# Altium PCB Evaluation Board.PcbDoc (part 11 of 22)
Units mm, origin at the board's own origin, x right, y up, seen from the top; angles counter-clockwise.
Board outline 200 x 200 mm, 4 copper layers (Top Layer, GND, Power, Bottom Layer), stack 1.56 mm thick; 639 components, 758 nets, 3043 pads, 1306 vias.
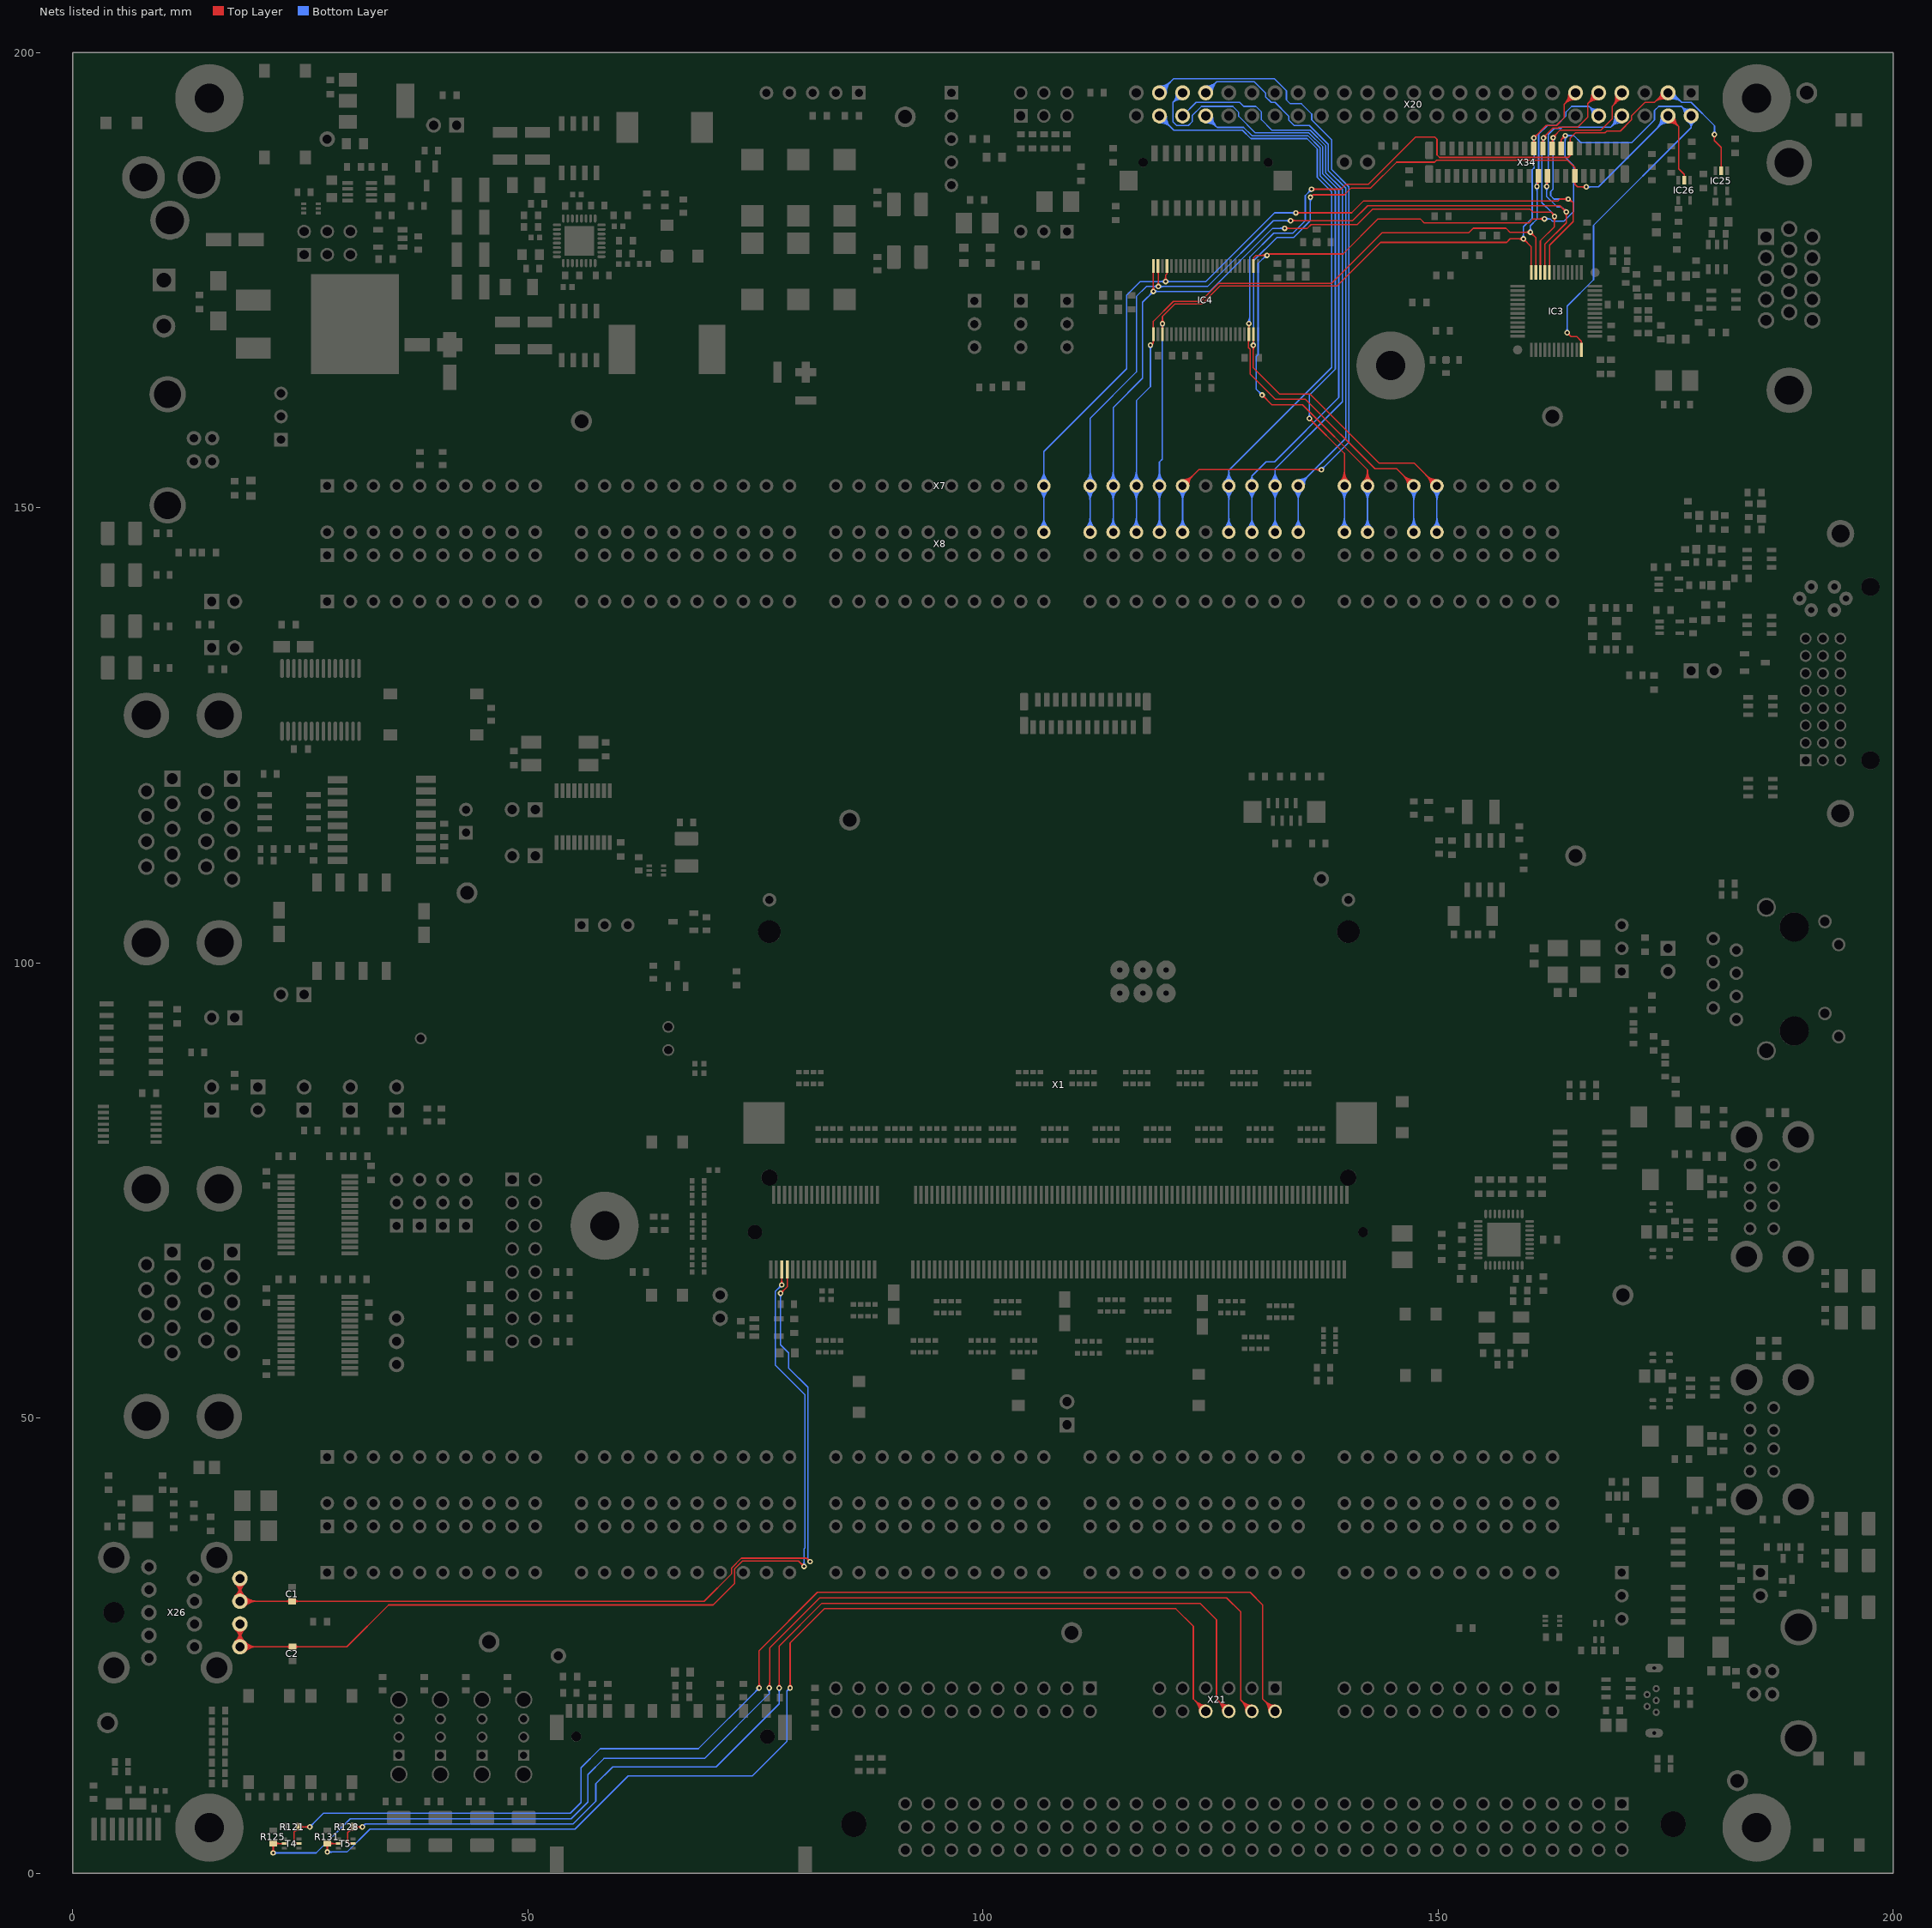
[diagram p13: the nets of this part, all layers, seen from the top]

## Via types
v1: diameter 0.6, hole 0.3, Top Layer to Bottom Layer, 1222 vias
v2: diameter 0.6, hole 0.3, Top Layer to Bottom Layer, tented both sides, 84 vias

## Nets (pads, with @x,y where several pads share a name; then routed paths per layer and width w, separated by ;. In a path a pad name is that pad's centre, name@x,y a point inside that pad or via, vN(x,y) a via of type N, cw(c..) or ccw(c..) an arc to the next point about the centre after c; other vN are vias at no path point) (continued)
LCD_D_13: IC3.44 IC4.45 X7.30 X8.B30 X20.7 X34.26 | length 148.8
  Top Layer w0.15: v2@119.898,175.004 ccw(c119.514,175.388) 120.057,175.388 ccw(c120.601,175.388) v2@120.216,175.004 ; v2(120.057,174.845) 120.057,175.565 120.21,175.717 IC4.45@120.21,176.546 ; IC4.45@120.157,175.893 cw(c120.029,175.765) 120.21,175.765 cw(c120.391,175.765) IC4.45@120.263,175.893 ; v1@134.363,182.397 140.497,182.397 141.81,183.71 163.185,183.71 163.384,183.909 v1(164.287,183.909) 164.441,183.909 164.825,183.525 ; v1@134.522,182.23 cw(c134.927,181.825) 134.927,182.397 ; v1@134.522,182.548 ccw(c134.886,182.912) 134.886,182.397 ; IC3.44@162.178,176.545 ccw(c162.05,176.673) 162.231,176.673 ccw(c162.413,176.673) IC3.44@162.284,176.545 ; IC3.44@162.231,175.842 162.231,178.831 164.825,181.425 164.825,183.525 ; X34.26@162.371,190.082 ccw(c161.89,190.652) v1(162.636,190.652) X34.26@162.636,189.493 ; X34.26@162.468,189.967 ccw(c162.162,190.33) 162.636,190.33 ; v1@162.636,190.729 163.398,191.491 167.894,191.491 169.13,192.727 169.13,194.09 ; v1@162.636,190.877 ccw(c162.636,191.237) 162.89,190.983 ; v1@162.711,190.652 cw(c163.076,190.652) 162.818,190.911 ; v1@162.861,190.652 cw(c163.588,190.652) 163.074,191.167 ; v1@164.128,183.75 ccw(c163.744,183.366) 163.744,183.909 ccw(c163.744,184.453) v1@164.128,184.068 ; v1@164.299,183.835 cw(c164.358,183.473) 164.618,183.732 ; v1@164.323,183.687 cw(c164.416,183.116) 164.825,183.525 ; v1@164.512,183.909 ccw(c164.685,183.909) 164.563,183.787 ; 169.31,194.27 ccw(c168.489,195.09) X20.7@169.604,195.413 ; X20.7@169.46,195.371 cw(c168.21,195.01) 169.13,194.09 ; 169.489,194.449 ccw(c168.767,195.171) X20.7@169.748,195.455 ; 169.651,194.611 cw(c170.18,194.082) X20.7@170.18,194.83 ; 169.669,194.629 ccw(c169.046,195.251) X20.7@169.892,195.497 ; 169.848,194.808 ccw(c169.324,195.332) X20.7@170.036,195.538 ; X20.7@170.18,195.58 170.18,195.14 169.13,194.09
  Bottom Layer w0.15: X8.B30@106.203,147.797 ccw(c105.05,148.95) 106.68,148.95 ccw(c108.31,148.95) X8.B30@107.157,147.797 ; X7.30@106.203,151.923 cw(c105.05,150.77) 106.68,150.77 cw(c108.31,150.77) X7.30@107.157,151.923 ; X7.30@106.203,152.877 ccw(c105.05,154.03) 106.68,154.03 ccw(c108.31,154.03) X7.30@107.157,152.877 ; X8.B30@106.309,147.691 ccw(c105.413,148.587) 106.68,148.587 ccw(c107.947,148.587) X8.B30@107.051,147.691 ; X7.30@106.309,152.029 cw(c105.413,151.133) 106.68,151.133 cw(c107.947,151.133) X7.30@107.051,152.029 ; X7.30@106.309,152.771 ccw(c105.413,153.667) 106.68,153.667 ccw(c107.947,153.667) X7.30@107.051,152.771 ; X8.B30@106.415,147.585 ccw(c105.775,148.225) 106.68,148.225 ccw(c107.585,148.225) X8.B30@106.945,147.585 ; X7.30@106.415,152.135 cw(c105.775,151.495) 106.68,151.495 cw(c107.585,151.495) X7.30@106.945,152.135 ; X7.30@106.415,152.665 ccw(c105.775,153.305) 106.68,153.305 ccw(c107.585,153.305) X7.30@106.945,152.665 ; X8.B30@106.68,147.32 X7.30@106.68,152.4 106.68,156.18 115.773,165.273 115.773,173.355 117.272,174.854 120.049,174.854 v2(120.057,174.845) 124.47,174.845 132.022,182.397 v1@134.363,182.397 ; 119.494,174.854 cw(c119.494,174.281) v2@119.898,174.686 ; 119.535,174.854 ccw(c119.535,175.368) v2@119.898,175.004 ; v2@120.216,174.686 cw(c120.601,174.302) 120.601,174.845 cw(c120.601,175.388) v2@120.216,175.004 ; 133.8,182.397 cw(c133.8,181.825) v1@134.204,182.23 ; 133.841,182.397 ccw(c133.841,182.912) v1@134.204,182.548 ; v1@162.477,190.493 cw(c162.093,190.109) 162.636,190.109 cw(c163.179,190.109) v1@162.795,190.493 ; v1(162.636,190.652) 162.636,185.014 162.357,184.734 162.357,184.277 162.724,183.909 v1(164.287,183.909) ; v1@164.128,183.75 ccw(c163.744,183.366) 163.744,183.909 ccw(c163.744,184.453) v1@164.128,184.068
  other v1: 134.363,182.389
LCD_D_14: IC3.45 IC4.47 X7.31 X8.B31 X20.8 X34.25 | length 143.8
  Top Layer w0.15: v2@119.094,174.462 ccw(c118.71,174.846) 119.253,174.846 ccw(c119.796,174.846) v2@119.412,174.462 ; IC4.47@119.157,175.893 cw(c118.925,175.661) 119.253,175.661 ; v2(119.253,174.303) IC4.47@119.253,176.503 ; v1(133.789,181.534) 133.789,181.54 133.791,181.542 140.617,181.542 142.26,183.185 163.373,183.185 164.075,182.483 164.075,181.3 161.731,178.956 IC3.45@161.731,175.842 ; v1@133.948,181.375 cw(c134.352,180.97) 134.352,181.542 ; v1@133.948,181.693 ccw(c134.311,182.057) 134.311,181.542 ; IC3.45@161.678,176.545 ccw(c161.55,176.673) 161.731,176.673 ccw(c161.913,176.673) IC3.45@161.785,176.545 ; X34.25@161.857,185.851 cw(c161.693,185.687) 161.925,185.687 ; v1@161.925,185.295 cw(c162.667,185.295) X34.25@162.167,185.844 ; v1@161.925,185.301 X34.25@161.925,186.46 ; 161.925,185.634 cw(c162.358,185.634) X34.25@162.066,185.955 ; 163.657,182.901 ccw(c164.084,183.329) v1@164.084,182.724 ; 163.718,182.84 cw(c163.377,182.499) v1@163.859,182.499 ; v1@163.925,182.34 cw(c163.563,181.978) 164.075,181.978 ; 164.075,181.934 cw(c164.649,181.934) v1@164.243,182.34
  Bottom Layer w0.15: X8.B31@111.283,147.797 ccw(c110.13,148.95) 111.76,148.95 ccw(c113.39,148.95) X8.B31@112.237,147.797 ; X7.31@111.283,151.923 cw(c110.13,150.77) 111.76,150.77 cw(c113.39,150.77) X7.31@112.237,151.923 ; X7.31@111.283,152.877 ccw(c110.069,154.091) 111.785,154.091 ; X8.B31@111.389,147.691 ccw(c110.493,148.587) 111.76,148.587 ccw(c113.027,148.587) X8.B31@112.131,147.691 ; X7.31@111.389,152.029 cw(c110.493,151.133) 111.76,151.133 cw(c113.027,151.133) X7.31@112.131,152.029 ; X7.31@111.389,152.771 ccw(c110.431,153.729) 111.785,153.729 ; X8.B31@111.495,147.585 ccw(c110.855,148.225) 111.76,148.225 ccw(c112.665,148.225) X8.B31@112.025,147.585 ; X7.31@111.495,152.135 cw(c110.855,151.495) 111.76,151.495 cw(c112.665,151.495) X7.31@112.025,152.135 ; X7.31@111.495,152.665 ccw(c110.793,153.367) 111.785,153.367 ; X8.B31@111.76,147.32 X7.31@111.76,152.4 111.785,152.425 111.785,159.86 116.84,164.915 116.84,173.203 117.958,174.32 119.236,174.32 v2(119.253,174.303) 124.653,174.303 131.884,181.534 v1(133.789,181.534) ; 111.785,153.244 ccw(c112.604,153.244) X7.31@112.025,152.665 ; 111.785,153.606 ccw(c112.966,153.606) X7.31@112.131,152.771 ; 111.785,153.968 ccw(c113.328,153.968) X7.31@112.237,152.877 ; 118.669,174.32 cw(c118.669,173.719) v2@119.094,174.144 ; 118.751,174.32 ccw(c118.751,174.806) v2@119.094,174.462 ; v2@119.412,174.144 cw(c119.796,173.76) 119.796,174.303 cw(c119.796,174.846) v2@119.412,174.462 ; v1@133.63,181.375 ccw(c133.246,180.991) 133.246,181.534 ccw(c133.246,182.077) v1@133.63,181.693 ; v1@161.766,185.131 cw(c161.382,184.747) 161.925,184.747 cw(c162.468,184.747) v1@162.084,185.131 ; v1@161.766,185.449 ccw(c161.382,185.833) 161.925,185.833 ccw(c162.468,185.833) v1@162.084,185.449 ; v1@163.859,182.499 ccw(c163.316,182.499) 163.7,182.883 ccw(c164.084,183.267) v1@164.084,182.724 ; v1(164.084,182.499) 163.525,183.058 163.068,183.058 161.925,184.201 v1(161.925,185.29) 161.925,186.436 162.094,186.605 162.094,191 162.758,191.664 163.503,191.664 163.655,191.816 168.956,191.816 ; X20.8@169.43,193.016 cw(c167.809,192.963) 168.956,191.816 ; X20.8@169.58,193.021 cw(c168.283,192.979) 169.201,192.061 cw(c170.119,191.143) X20.8@170.161,192.44 ; X20.8@169.73,193.025 cw(c168.757,192.994) 169.446,192.306 cw(c170.134,191.617) X20.8@170.165,192.59 ; X20.8@170.156,192.29 ccw(c170.103,190.669) 168.956,191.816 ; X20.8@170.18,193.04 168.956,191.816
LCD_D_15: IC3.46 IC4.48 X7.32 X8.B32 X20.9 X34.24 | length 139.9
  Top Layer w0.15: v2@118.551,173.92 ccw(c118.167,174.305) 118.71,174.305 ccw(c119.253,174.305) v2@118.869,173.92 ; IC4.48@118.657,175.893 cw(c118.529,175.765) 118.71,175.765 cw(c118.891,175.765) IC4.48@118.763,175.893 ; v2(118.71,173.761) IC4.48@118.71,176.546 ; v1(133.139,180.696) 135.632,180.696 136.043,181.107 141.107,181.107 142.8,182.8 160.093,182.8 160.433,182.46 162.458,182.46 ; v1@133.298,180.537 cw(c133.682,180.152) 133.682,180.696 cw(c133.682,181.239) v1@133.298,180.855 ; IC3.46@161.178,176.545 ccw(c161.05,176.673) 161.231,176.673 ccw(c161.413,176.673) IC3.46@161.284,176.545 ; IC3.46@161.231,175.842 161.231,179.331 162.775,180.875 162.775,182.144 162.458,182.46 ; X34.24@161.357,190.069 ccw(c160.973,190.453) 161.516,190.453 ccw(c162.059,190.453) X34.24@161.675,190.069 ; X34.24@161.516,189.471 161.516,190.574 v1(161.569,190.627) 161.569,190.683 162.576,191.69 163.173,191.69 163.274,191.791 165.336,191.791 166.446,192.901 166.446,194.386 ; 161.516,190.317 cw(c161.879,190.317) v1@161.622,190.574 ; v1@161.569,190.852 ccw(c161.569,191.26) 161.858,190.971 ; v1@161.794,190.627 cw(c162.473,190.627) 161.993,191.107 ; v1@162.571,182.047 ccw(c162.154,182.156) 162.458,182.46 ; v1@162.63,181.832 cw(c162.278,181.481) 162.775,181.481 ; 162.642,182.277 ccw(c162.789,182.423) v1@162.789,182.216 ; 162.644,182.275 cw(c162.448,182.079) v1@162.716,182.01 ; 162.775,181.415 cw(c163.365,181.415) v1@162.948,181.832 ; X20.9@166.891,195.542 cw(c165.368,195.465) 166.446,194.386 ; X20.9@167.041,195.55 cw(c165.822,195.488) 166.685,194.625 cw(c167.548,193.762) X20.9@167.61,194.981 ; X20.9@167.191,195.557 cw(c166.277,195.511) 166.924,194.864 cw(c167.571,194.217) X20.9@167.617,195.131 ; X20.9@167.602,194.831 ccw(c167.525,193.308) 166.446,194.386 ; X20.9@167.64,195.58 166.446,194.386
  Bottom Layer w0.15: X8.B32@113.823,147.797 ccw(c112.67,148.95) 114.3,148.95 ccw(c115.93,148.95) X8.B32@114.777,147.797 ; X7.32@113.823,151.923 cw(c112.67,150.77) 114.3,150.77 cw(c115.93,150.77) X7.32@114.777,151.923 ; X7.32@113.823,152.877 ccw(c112.67,154.03) 114.3,154.03 ccw(c115.93,154.03) X7.32@114.777,152.877 ; X8.B32@113.929,147.691 ccw(c113.033,148.587) 114.3,148.587 ccw(c115.567,148.587) X8.B32@114.671,147.691 ; X7.32@113.929,152.029 cw(c113.033,151.133) 114.3,151.133 cw(c115.567,151.133) X7.32@114.671,152.029 ; X7.32@113.929,152.771 ccw(c113.033,153.667) 114.3,153.667 ccw(c115.567,153.667) X7.32@114.671,152.771 ; X8.B32@114.035,147.585 ccw(c113.395,148.225) 114.3,148.225 ccw(c115.205,148.225) X8.B32@114.565,147.585 ; X7.32@114.035,152.135 cw(c113.395,151.495) 114.3,151.495 cw(c115.205,151.495) X7.32@114.565,152.135 ; X7.32@114.035,152.665 ccw(c113.395,153.305) 114.3,153.305 ccw(c115.205,153.305) X7.32@114.565,152.665 ; X8.B32@114.3,147.32 X7.32@114.3,152.4 114.3,161 117.526,164.226 117.526,172.577 v2(118.71,173.761) 124.886,173.761 131.821,180.696 v1(133.139,180.696) ; v2@118.485,173.761 cw(c117.942,173.761) 118.326,173.377 cw(c118.71,172.993) v2@118.71,173.536 ; v2@118.869,173.602 cw(c119.253,173.218) 119.253,173.761 cw(c119.253,174.305) v2@118.869,173.92 ; v1@132.98,180.537 ccw(c132.596,180.152) 132.596,180.696 ccw(c132.596,181.239) v1@132.98,180.855 ; v1@161.41,190.468 cw(c161.026,190.084) 161.569,190.084 cw(c162.113,190.084) v1@161.728,190.468 ; v1(161.569,190.627) 161.569,189.171 161.4,189.001 161.4,183.519 162.458,182.46 ; v1@162.571,182.047 ccw(c162.154,182.156) 162.458,182.46 ; 162.642,182.277 ccw(c162.789,182.423) v1@162.789,182.216 ; 162.644,182.275 cw(c162.448,182.079) v1@162.716,182.01 ; v1(162.789,181.991) 162.789,182.13 162.458,182.46
LCD_D_16: IC3.47 IC4.1 X7.33 X8.B33 X20.10 X34.23 | length 126.1
  Top Layer w0.15: v1@118.389,167.767 118.71,168.088 ; v1@118.498,168.058 ccw(c118.584,168.214) 118.71,168.088 ; v1@118.614,167.86 cw(c118.932,167.86) 118.707,168.085 ; IC4.1@118.657,168.393 cw(c118.529,168.265) 118.71,168.265 cw(c118.891,168.265) IC4.1@118.763,168.393 ; IC4.1@118.657,169.699 ccw(c118.529,169.827) 118.71,169.827 ccw(c118.891,169.827) IC4.1@118.763,169.699 ; v1@159.975,180.108 ccw(c159.591,179.724) 159.591,180.267 ccw(c159.591,180.81) v1@159.975,180.426 ; v1@160.134,180.042 cw(c160.134,179.499) 160.518,179.883 cw(c160.903,180.267) v1@160.359,180.267 ; IC3.47@160.678,176.545 ccw(c160.55,176.673) 160.731,176.673 ccw(c160.913,176.673) IC3.47@160.785,176.545 ; IC3.47@160.731,175.842 160.731,179.67 v1(160.134,180.267) 157.883,180.267 157.45,180.7 153.85,180.7 153.35,180.2 143.838,180.2 138.302,174.664 125.898,174.664 123.912,172.678 120.912,172.678 118.71,170.475 IC4.1@118.71,169.046 118.71,168.088 ; v1@160.858,185.284 cw(c161.514,185.284) X34.23@161.143,185.824 ; v1@160.858,185.301 X34.23@160.858,186.46 ; v1@160.858,185.568 cw(c161.319,185.568) X34.23@161.058,185.948
  Bottom Layer w0.15: X8.B33@116.363,147.797 ccw(c115.21,148.95) 116.84,148.95 ccw(c118.47,148.95) X8.B33@117.317,147.797 ; X7.33@116.363,151.923 cw(c115.21,150.77) 116.84,150.77 cw(c118.47,150.77) X7.33@117.317,151.923 ; X7.33@116.363,152.877 ccw(c115.21,154.03) 116.84,154.03 ccw(c118.47,154.03) X7.33@117.317,152.877 ; X8.B33@116.469,147.691 ccw(c115.573,148.587) 116.84,148.587 ccw(c118.107,148.587) X8.B33@117.211,147.691 ; X7.33@116.469,152.029 cw(c115.573,151.133) 116.84,151.133 cw(c118.107,151.133) X7.33@117.211,152.029 ; X7.33@116.469,152.771 ccw(c115.573,153.667) 116.84,153.667 ccw(c118.107,153.667) X7.33@117.211,152.771 ; X8.B33@116.575,147.585 ccw(c115.935,148.225) 116.84,148.225 ccw(c117.745,148.225) X8.B33@117.105,147.585 ; X7.33@116.575,152.135 cw(c115.935,151.495) 116.84,151.495 cw(c117.745,151.495) X7.33@117.105,152.135 ; X7.33@116.575,152.665 ccw(c115.935,153.305) 116.84,153.305 ccw(c117.745,153.305) X7.33@117.105,152.665 ; X8.B33@116.84,147.32 X7.33@116.84,152.4 116.84,161.765 118.389,163.314 v1(118.389,167.86) ; v1@118.23,167.701 cw(c117.846,167.317) 118.389,167.317 cw(c118.933,167.317) v1@118.548,167.701 ; v1@159.975,180.426 ccw(c159.591,180.81) 160.134,180.81 ccw(c160.677,180.81) v1@160.293,180.426 ; v1(160.134,180.267) 160.134,180.959 160.858,181.683 v1(160.858,185.29) 160.807,185.341 160.807,186.563 161.041,186.797 161.041,191.019 162.012,191.99 162.995,191.99 164.05,193.045 164.05,193.475 164.665,194.09 166.59,194.09 ; v1@160.699,185.131 cw(c160.315,184.747) 160.858,184.747 cw(c161.401,184.747) v1@161.017,185.131 ; v1@160.699,185.449 ccw(c160.438,185.711) 160.807,185.711 ; 160.807,185.594 ccw(c161.162,185.594) v1@160.911,185.343 ; 160.807,185.956 ccw(c161.524,185.956) v1@161.017,185.449 ; X20.10@166.898,193.152 ccw(c165.816,193.316) 166.59,194.09 ; X20.10@167.047,193.13 ccw(c166.181,193.261) 166.8,193.88 ccw(c167.419,194.499) X20.10@167.55,193.633 ; X20.10@167.195,193.107 ccw(c166.546,193.205) 167.01,193.67 ccw(c167.475,194.134) X20.10@167.573,193.485 ; X20.10@167.528,193.782 cw(c167.364,194.864) 166.59,194.09 ; X20.10@167.64,193.04 166.59,194.09
LCD_D_17: IC3.48 IC4.3 X7.34 X8.B34 X20.11 X34.22 | length 124.6
  Top Layer w0.15: v2@119.551,170.383 ccw(c119.167,170.767) 119.71,170.767 ccw(c120.253,170.767) v2@119.869,170.383 ; IC4.3@119.657,169.699 ccw(c119.528,169.828) 119.71,169.828 ; IC4.3@119.71,169.046 v2(119.71,170.224) 119.71,171.011 121.077,172.378 124.036,172.378 126.022,174.364 138.88,174.364 143.666,179.15 157.525,179.15 157.911,179.536 v1(159.36,179.536) 160.231,178.664 IC3.48@160.231,175.842 ; 119.71,169.827 ccw(c119.891,169.827) IC4.3@119.763,169.699 ; v1@159.201,179.377 ccw(c158.816,178.993) 158.816,179.536 ccw(c158.816,180.079) v1@159.201,179.695 ; v1@159.36,179.311 cw(c159.36,178.768) 159.744,179.152 cw(c160.128,179.536) v1@159.585,179.536 ; IC3.48@160.178,176.545 ccw(c160.05,176.673) 160.231,176.673 ccw(c160.413,176.673) IC3.48@160.284,176.545 ; X34.22@160.357,190.069 ccw(c159.973,190.453) 160.516,190.453 ccw(c161.059,190.453) X34.22@160.675,190.069 ; X34.22@160.516,189.471 v1(160.516,190.63) 161.876,191.99 162.995,191.99 163.83,192.825 163.83,194.31 ; v1@160.516,190.855 ccw(c160.516,191.398) 160.9,191.014 ccw(c161.284,190.63) v1@160.741,190.63 ; X20.11@164.35,195.576 cw(c162.575,195.565) 163.83,194.31 ; X20.11@164.5,195.577 cw(c163.08,195.568) 164.084,194.564 cw(c165.088,193.56) X20.11@165.097,194.98 ; X20.11@164.65,195.577 cw(c163.585,195.571) 164.338,194.818 cw(c165.091,194.065) X20.11@165.097,195.13 ; X20.11@165.096,194.83 ccw(c165.085,193.055) 163.83,194.31 ; X20.11@165.1,195.58 163.83,194.31
  Bottom Layer w0.15: X8.B34@118.903,147.797 ccw(c117.75,148.95) 119.38,148.95 ccw(c121.01,148.95) X8.B34@119.857,147.797 ; X7.34@118.903,151.923 cw(c117.75,150.77) 119.38,150.77 cw(c121.01,150.77) X7.34@119.857,151.923 ; X7.34@118.903,152.877 ccw(c117.75,154.03) 119.38,154.03 ccw(c121.01,154.03) X7.34@119.857,152.877 ; X8.B34@119.009,147.691 ccw(c118.113,148.587) 119.38,148.587 ccw(c120.647,148.587) X8.B34@119.751,147.691 ; X7.34@119.009,152.029 cw(c118.113,151.133) 119.38,151.133 cw(c120.647,151.133) X7.34@119.751,152.029 ; X7.34@119.009,152.771 ccw(c118.113,153.667) 119.38,153.667 ccw(c120.647,153.667) X7.34@119.751,152.771 ; X8.B34@119.115,147.585 ccw(c118.475,148.225) 119.38,148.225 ccw(c120.285,148.225) X8.B34@119.645,147.585 ; X7.34@119.115,152.135 cw(c118.475,151.495) 119.38,151.495 cw(c120.285,151.495) X7.34@119.645,152.135 ; X7.34@119.115,152.665 ccw(c118.475,153.305) 119.38,153.305 ccw(c120.285,153.305) X7.34@119.645,152.665 ; X8.B34@119.38,147.32 X7.34@119.38,152.4 119.38,155.016 119.685,155.321 v2@119.685,170.198 ; v2@119.551,170.064 cw(c119.228,169.741) 119.685,169.741 ; 119.685,169.62 cw(c120.314,169.62) v2@119.869,170.064 ; v2@119.685,170.224 v2@119.685,170.198 ; v2(119.71,170.224) v2@119.685,170.198 ; v1@159.201,179.695 ccw(c158.816,180.079) 159.36,180.079 ccw(c159.903,180.079) v1@159.519,179.695 ; v1(159.36,179.536) 159.36,180.86 160.333,181.833 160.333,187.123 160.541,187.33 160.541,190.605 v1(160.516,190.63) ; v1@160.357,190.471 cw(c159.912,190.026) 160.541,190.026 ; 160.541,190.147 cw(c160.999,190.147) v1@160.675,190.471
LCD_D_18: X7.35 X8.B35 X20.47 | length 109.1
  Top Layer w0.15: X7.35@121.92,152.4 123.695,154.175 v1(137.175,154.175) ; X7.35@121.92,152.775 ccw(c121.92,153.68) 122.56,153.04 ccw(c123.2,152.4) X7.35@122.295,152.4 ; X7.35@121.92,152.925 ccw(c121.92,154.192) 122.816,153.296 ccw(c123.712,152.4) X7.35@122.445,152.4 ; X7.35@121.92,153.075 ccw(c121.92,154.705) 123.072,153.552 ccw(c124.225,152.4) X7.35@122.595,152.4 ; v1@137.016,154.016 ccw(c136.632,153.632) 136.632,154.175 ccw(c136.632,154.718) v1@137.016,154.334
  Bottom Layer w0.15: X20.47@119.38,195.58 120.925,197.125 132.02,197.125 133.325,195.82 133.325,194.8 133.75,194.375 134.975,194.375 136.11,193.24 136.11,192.605 138.3,190.415 138.3,187.15 140.191,185.259 140.191,157.191 v1(137.175,154.175) ; X20.47@119.38,196.03 ccw(c119.38,197.116) 120.148,196.348 ccw(c120.916,195.58) X20.47@119.83,195.58 ; X20.47@119.38,196.18 ccw(c119.38,197.629) 120.404,196.604 ccw(c121.429,195.58) X20.47@119.98,195.58 ; X20.47@119.38,196.33 ccw(c119.38,198.141) 120.66,196.86 ccw(c121.941,195.58) X20.47@120.13,195.58 ; X8.B35@121.443,147.797 ccw(c120.29,148.95) 121.92,148.95 ccw(c123.55,148.95) X8.B35@122.397,147.797 ; X7.35@121.443,151.923 cw(c120.29,150.77) 121.92,150.77 cw(c123.55,150.77) X7.35@122.397,151.923 ; X8.B35@121.549,147.691 ccw(c120.653,148.587) 121.92,148.587 ccw(c123.187,148.587) X8.B35@122.291,147.691 ; X7.35@121.549,152.029 cw(c120.653,151.133) 121.92,151.133 cw(c123.187,151.133) X7.35@122.291,152.029 ; X8.B35@121.655,147.585 ccw(c121.015,148.225) 121.92,148.225 ccw(c122.825,148.225) X8.B35@122.185,147.585 ; X7.35@121.655,152.135 cw(c121.015,151.495) 121.92,151.495 cw(c122.825,151.495) X7.35@122.185,152.135 ; X8.B35@121.92,147.32 X7.35@121.92,152.4 ; v1@137.175,154.4 ccw(c137.175,154.943) 137.559,154.559 ccw(c137.943,154.175) v1@137.4,154.175
LCD_D_19: X7.37 X8.B37 X20.48 | length 91
  Bottom Layer w0.15: X20.48@119.38,192.29 cw(c119.38,190.479) 120.66,191.76 cw(c121.941,193.04) X20.48@120.13,193.04 ; X20.48@119.38,192.44 cw(c119.38,190.991) 120.404,192.016 cw(c121.429,193.04) X20.48@119.98,193.04 ; X20.48@119.38,192.59 cw(c119.38,191.504) 120.148,192.272 cw(c120.916,193.04) X20.48@119.83,193.04 ; X20.48@119.38,193.04 120.945,191.475 128.501,191.475 129.426,190.55 135.592,190.55 136.725,189.417 136.725,186.275 138.3,184.7 138.3,165.402 127,154.102 X7.37@127,152.4 X8.B37@127,147.32 ; X8.B37@126.523,147.797 ccw(c125.37,148.95) 127,148.95 ccw(c128.63,148.95) X8.B37@127.477,147.797 ; X7.37@126.523,151.923 cw(c125.37,150.77) 127,150.77 cw(c128.63,150.77) X7.37@127.477,151.923 ; X7.37@126.523,152.877 ccw(c125.37,154.03) 127,154.03 ccw(c128.63,154.03) X7.37@127.477,152.877 ; X8.B37@126.629,147.691 ccw(c125.733,148.587) 127,148.587 ccw(c128.267,148.587) X8.B37@127.371,147.691 ; X7.37@126.629,152.029 cw(c125.733,151.133) 127,151.133 cw(c128.267,151.133) X7.37@127.371,152.029 ; X7.37@126.629,152.771 ccw(c125.733,153.667) 127,153.667 ccw(c128.267,153.667) X7.37@127.371,152.771 ; X8.B37@126.735,147.585 ccw(c126.095,148.225) 127,148.225 ccw(c127.905,148.225) X8.B37@127.265,147.585 ; X7.37@126.735,152.135 cw(c126.095,151.495) 127,151.495 cw(c127.905,151.495) X7.37@127.265,152.135 ; X7.37@126.735,152.665 ccw(c126.095,153.305) 127,153.305 ccw(c127.905,153.305) X7.37@127.265,152.665